# KiCad board PC110.kicad_pcb (continued)
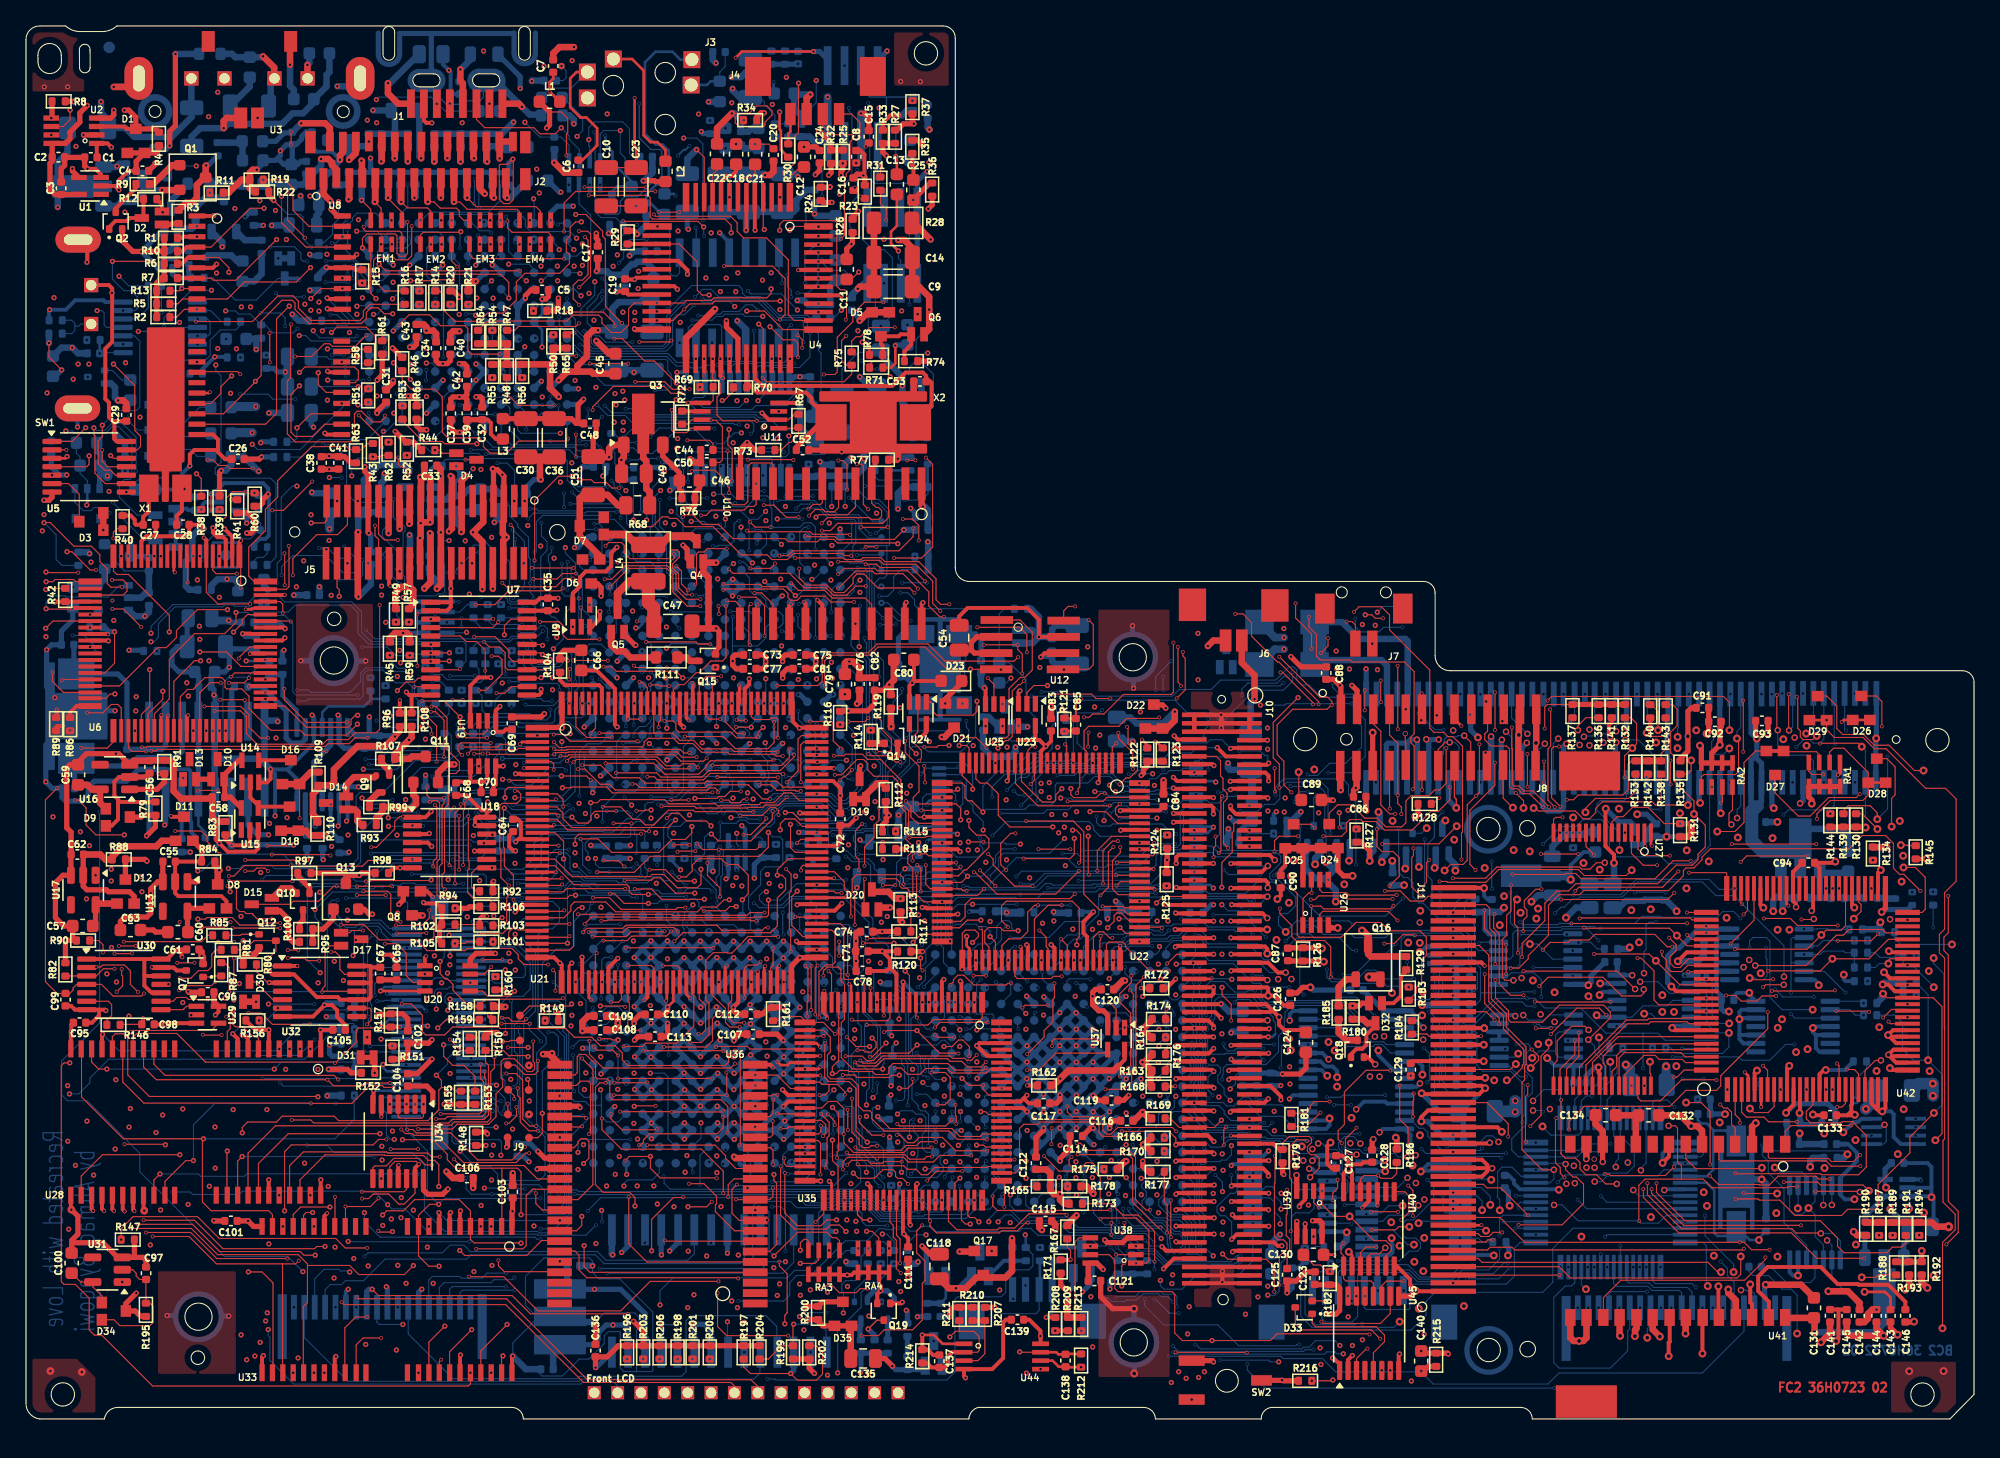
[diagram p0: board, top side]
## Routing (per net, layer and track width the routed paths; a pad name or vN(x,y) marks a point on that pad's centre or on a via; arc(x,y) is an arc through that point) (continued)
Net-(C160--): length 11.4
  FC2 w0.08: U4.11 52.24,97.23 v1(51.65,97.82)
  BC1 w0.08: v1(51.65,97.82) 52.08,97.39 54.29,97.39 v7(55.08,98.18)
  BC2 w0.5: v1(51.65,97.82) 50.94,97.11 C160.2 ; C166.1 56.42,97.92 55.34,97.92 v7(55.08,98.18)
Net-(C162-+): length 6
  BC2 w0.08: R222.2 R225.2 57.68,100.49 56.87,101.3 56.87,101.5 56.53,101.85 C162.1
  BC2 w0.5: v1(54.43,102.52) 54.43,102.39 54.98,101.85 C162.1
Net-(C163--): length 23.4
  FC1 w0.08: v1(43.35,98.59) 43.35,98.28 42.93,97.86 33.68,97.86 32.04,99.5 32.04,100.97 v3(31.65,101.36)
  BC2 w0.08: C163.2 46.75,97.27 46.49,97.53 46.49,99.43 45.96,99.96 43.8,99.96 43.35,99.51 v1(43.35,98.59) 43.35,98.12 43.43,98.04 43.43,98.04 EM5.3
Net-(C164-Pad2): length 3.4
  BC1 w0.1: v7(57.42,105.42) 57.59,105.25 v7(57.59,103.02)
  BC2 w0.2: v7(57.59,103.02) 57.59,102.19 C164.2
Net-(C167--): length 20.4
  FC1 w0.08: v3(35.7,101.36) 35.7,100.21 37.83,98.08 42.3,98.08 42.81,98.59 42.81,98.68 43.42,99.29 v1(45.78,99.29)
  BC2 w0.08: C167.2 46.6,96.26 46.13,96.73 46.13,97.2 45.78,97.55 v1(45.78,99.29) 44.5,99.29 44.23,99.02 EM5.4
Net-(C168--): length 4.6
  FC2 w0.5: U3.3 20.34,106.11 v1(20.34,104.36)
  BC2 w0.5: C168.2 20.62,102.44 20.34,102.72 v1(20.34,104.36)
Net-(C170-+): length 12.1
  FC1 w0.08: v1(38.43,99.93) 38.31,99.93 36.4,101.84 33.13,101.84 v3(32.65,101.36)
  BC2 w0.08: 41.83,96.96 41.83,98.17 41.2,98.79 C170.1 39.57,98.79 v1(38.43,99.93)
Net-(C171-+): length 4.7
  FC2 w0.5: v1(24.89,97.03) 25.41,97.55 J2.6
  BC2 w0.5: 24.89,98.07 25.16,98.07 25.17,98.08 C171.1 ; 24.89,98.07 24.89,98.48 L16.1 ; 24.89,98.07 v1(24.89,97.03)
Net-(C176-+): length 10.3
  FC2 w0.5: J2.4 24.41,97.6 24.19,97.38 v1(24.19,97.04)
  BC2 w0.08: 22.57,93.53 C176.1
  BC2 w0.3: C188.1 22.01,98.06 22.42,97.65 23.58,97.65 v1(24.19,97.04)
  BC2 w0.5: v1(24.19,97.04) 23.88,96.73 R234.2 23.36,96.09 23.02,95.75 23.02,94.85 22.56,94.39 C176.1 ; 22.57,93.53 22.57,92.93 22.39,92.75 L9.1
Net-(C177--): length 9.9
  FC2 w0.5: J2.27 35.96,94.19 v1(36.04,94.11)
  BC1 w0.08: v1(36.04,94.11) 36.06,94.13 36.06,95.53 36.99,96.46 36.99,100.28 v7(36.48,100.79)
  BC2 w0.4: C177.2 35.9,94.25 v1(36.04,94.11)
Net-(C189--): length 7
  FC2 w0.08: v1(21.2,99.84) 21.21,99.85
  FC2 w0.5: 21.21,99.85 23.05,99.85 23.41,99.49 J2.2
  BC2 w0.08: 20.53,99.17 C189.2
  BC2 w0.4: L14.1 19.24,98.46 19.89,99.11 20.45,99.11 C189.2
  BC2 w0.5: v1(21.2,99.84) 20.53,99.17
Net-(C192-+): length 4.3
  FC2 w0.5: J2.26 35.46,96.96 v1(35.52,96.9)
  BC2 w0.5: v1(35.52,96.9) 35.52,98.07 C192.1 37.02,98.08 L11.2
Net-(C193-+): length 3.8
  FC2 w0.5: J2.5 24.91,94.05 v1(24.85,93.99)
  BC2 w0.5: R234.1 24.29,95.07 24.33,95.11 C193.1 v1(24.85,93.99)
Net-(C195--): length 4.5
  FC2 w0.5: J2.29 36.96,94.21 v1(37.06,94.11)
  BC2 w0.08: 37.72,94.56 37.72,94.52
  BC2 w0.4: C195.2 37.72,94.56
  BC2 w0.5: L17.2 37.3,94.11 v1(37.06,94.11)
Net-(C197--): length 2
  FC2 w0.5: v1(21.68,104.35) 21.68,103.32 U3.5
  BC2 w0.5: C197.2 21.83,104.5 v1(21.68,104.35)
Net-(C198-+): length 5.2
  FC2 w0.5: J1.4 33.65,102.92 33.46,103.11 v1(33.46,104)
  BC2 w0.4: v1(33.46,104) 33.46,103.59 33.38,103.51 C198.1
  BC2 w0.5: L12.2 34.23,104.75 33.48,104 v1(33.46,104)
Net-(C199-+): length 18.2
  FC2 w0.08: v1(41.23,99.5) 40.77,99.04 39.59,99.04 39.12,99.51 35.34,99.51 34.7,100.15 J1.3
  FC1 w0.08: v13(41.25,104.26) 41.21,104.22 41.21,99.52 v1(41.23,99.5)
  BC2 w0.08: v1(41.23,99.5) 41.84,98.89 41.84,98.61 42.62,97.83 42.62,96.96 ; C199.1 41.39,103.14 41.6,103.35 41.6,103.91 v13(41.25,104.26)
Net-(C200--): length 12.8
  BC2 w0.08: 5.9,101.39 v1(5.78,101.51)
  BC2 w0.5: U3.8 12.74,101.08 C200.2 12.77,100.35 11.21,98.79 10.89,98.79 10.88,98.8 8.35,98.8 7.66,99.49 R241.1 6.3,100.14 5.78,100.66 v1(5.78,101.51)
Net-(C201-+): length 7.7
  FC2 w0.5: v1(18.26,105.01) 19.12,104.15 19.12,103.33 U3.6
  BC2 w0.08: 16.13,104.94 16.14,104.95
  BC2 w0.5: U3.6 18.85,103.02 18.85,101.35 C201.1 ; 16.13,104.94 15.87,105.2 15.14,105.2 15.12,105.19 ; v1(18.26,105.01) 18.2,104.95 C202.2 16.14,104.95
Net-(C206--): length 19.3
  FC2 w0.5: 42.47,80.71 42.47,81.15 43.21,81.89 43.21,83.43 43.68,83.9 v1(44.06,83.9) ; 42.47,80.71 41.7,80.71 v1(41.03,80.04) ; 42.47,80.71 43.53,80.71 43.69,80.56 C45.1
  BC2 w0.08: v1(44.06,83.9) 44.18,83.79 ; 48.22,86.2 L6.1 ; 41,80.04 v1(41.03,80.04)
  BC2 w0.4: U51.M11 40.43,79.45 41,80.02 41,80.04
  BC2 w0.5: 48.22,86.2 C206.2 ; v1(44.06,83.9) 45.38,83.9 45.49,83.79 45.49,84.59 45.17,84.91 45.17,85.58 45.66,86.07 47.3,86.07 47.54,86.31 L6.1
Net-(C207-+): length 3.4
  FC2 w0.2: R71.2 66.63,81.02 66.96,81.35 v1(66.96,82.72)
  BC2 w0.4: 67.89,82.77 67.01,82.77 v1(66.96,82.72)
Net-(C213-Pad2): length 5.2
  BC2 w0.5: C214.2 62.85,76.7 62.29,77.26 R250.1 60.77,78.16 60.4,78.53 C213.2
Net-(C224--): length 7.2
  BC2 w0.08: R281.1 3.74,75.37 D47.1 3.88,74.42 4.17,74.14 C224.2 4.17,72.88 4.72,72.32 U55.2
  BC2 w0.2: v1(4.68,70.43) 4.72,70.47 U55.2
Net-(C225-+): length 13.8
  BC1 w0.08: v7(8.03,80.07) 8.03,79.71 7.96,79.64 v7(7.96,77.33) ; 10.05,78.27 v7(10.05,74.21)
  BC2 w0.08: v7(7.96,77.33) 7.96,76.83 8.58,76.21 D49.3 ; 9.75,78.24 D46.3 ; v7(8.03,80.07) 7.39,80.07 6.65,80.8 Q30.1
  BC2 w0.5: R276.2 9.75,78.24
  vias: v7(10.06,78.25) v7(10.06,76.23)
Net-(C225--): length 4.1
  FC2 w0.5: C29.2 7.73,78.25 7.49,78.49 v1(7.1,78.49)
  BC2 w0.5: Q30.2 6.55,79.8 6.86,79.49 6.86,78.73 v1(7.1,78.49) 7.12,78.52 C225.2
Net-(C227--): length 52.2
  FC2 w0.4: D9.2 8.86,46.38 9.01,46.53 R79.1 9.97,45.62 v1(9.29,44.94)
  IC2 w0.6: v1(15.49,64.72) 15.08,64.72 14.18,63.82 14.18,62.29 14.94,61.53 v1(15.61,61.53) 15.79,61.35 16.55,61.35 16.7,61.2 17.69,61.2 18.1,60.79 18.1,45.23 18.31,45.02 v1(18.69,45.02)
  IC3 w0.6: v1(18.69,45.02) 17.82,45.02 16.18,46.66 9.97,46.66 9.29,45.98 v1(9.29,44.94)
  BC2 w0.4: U63.10 17.11,45.75 17.83,45.02 v1(18.69,45.02) ; C227.2 15.75,61.39 v1(15.61,61.53) ; U63.16 9.48,45.13 v1(9.29,44.94)
  BC2 w0.5: Q31.3 16.33,64.42 16.03,64.72 v1(15.49,64.72) 14.77,64.72 14.27,64.22 R275.1
  BC2 w0.6: v1(15.61,61.53) 14.5,61.53 R284.1
Net-(C228-+): length 5.1
  BC1 w0.08: v7(4.76,80.3) 5.68,81.22 v7(5.68,82.12)
  BC2 w0.08: v7(5.68,82.12) 5.73,82.17 7.48,82.17 ; 5.68,83.12 R282.1
  BC2 w0.2: v7(5.68,82.12) 5.68,83.12
Net-(C229--): length 9.7
  BC1 w0.08: v7(10.44,85.25) 11.85,85.25 12.98,84.12 14.1,84.12 14.39,83.83 14.39,83.23 ; v7(13.21,82.82) 14.11,82.82 14.39,83.1 14.39,83.23 ; 14.39,83.23 v7(15.42,83.23)
  BC2 w0.08: v7(13.21,82.82) 13.25,82.82 13.27,82.84 ; v7(10.44,85.25) R235.1
Net-(C230--): length 16.6
  BC2 w0.08: 3.69,57.6 X4.2
  BC2 w0.4: U63.2 10.76,51.9 10.47,51.61 C257.2 7.78,56.71 7.08,57.41 X4.2 ; C230.2 3.69,57.6
Net-(C232--): length 19.7
  BC2 w0.08: 12.42,61.63 R284.2
  BC2 w0.2: C258.2 13.82,45.21 13.28,45.75 U63.13
  BC2 w0.4: U63.13 U63.4 13.28,56.4 C260.2 13.3,57.27 C259.2 11.78,57.57 11.25,58.1 11.25,59.12 11.65,59.52 C232.2 12.42,61.63
Net-(C233-+): length 44.4
  BC1 w0.08: v1(6.92,26.14) 6.92,26.18 6.93,26.19 6.93,31.75 3.62,35.06 3.62,43.83 4.87,45.08 4.87,59.82 5.56,60.51 5.56,62.17 v7(3.61,64.12)
  BC2 w0.5: Q29.1 6.06,64.73 U53.5 5.45,64.12 v7(3.61,64.12)
Net-(C234--): length 8.2
  BC2 w0.08: R285.1 7.6,65.35 6.9,66.05 6.9,66.87 6.36,67.41 Q29.2
  BC2 w0.5: U53.2 8.86,63.29 9.22,63.65 C234.2 R285.1
Net-(C238-+): length 6.1
  BC2 w0.08: 138.17,40.18 138.2,40.15 ; 138.3,42.22 Q33.1
  BC2 w0.5: R293.1 R297.2 ; 138.3,42.22 138.43,42.08 140.22,42.08 C238.1 ; Q33.1 138.17,40.18
Net-(C238--): length 36.1
  FC2 w0.4: C93.1 133.22,53.79 133.22,52.53 v2(133.32,52.43)
  BC2 w0.4: J13.88 132.88,47.22 133.2,46.9 133.42,46.9 133.65,47.13 133.65,49.03 J13.89 ; J13.88 132.88,47.58 133.27,47.19 ; J13.88 132.88,50.75 133.17,51.04 ; v2(133.32,52.43) 133.3,52.41 ; v2(133.32,52.43) 133.27,52.38 ; v2(133.32,52.43) 133.32,51.19 133.17,51.04 ; v2(133.32,52.43) 132.88,52.87 J13.13 ; J13.89 133.68,47.6 133.27,47.19 ; J13.89 133.68,50.53 133.17,51.04 ; J13.89 133.67,49.07 ; 133.27,47.19 133.27,46.74
  BC2 w0.5: C238.2 140.35,44.98 139.86,45.47 137.43,45.47 136.67,44.71 Q33.2
  BC2 w0.9: 136.67,43.75 Q33.2
  BC2 w1: 133.27,47.19 132.93,46.85 132.93,44.56 133.74,43.75 136.67,43.75
Net-(C240-+): length 4.8
  BC2 w0.08: C240.1 120.69,45.05
  BC2 w0.5: Q34.1 117.56,44.11 118.49,45.04 R294.2 119.98,45.04 120.17,45.24 C240.1
Net-(C240--): length 22.8
  IC2 w0.7: v2(123.23,27.3) 123.23,29.08 122.35,29.96 122.35,33.83 119.5,36.68 119.5,39.53 118.98,40.05 v2(118.98,41.57)
  BC2 w0.3: v2(118.98,41.57) 118.98,42.68 119.98,43.69 C240.2
  BC2 w0.7: v2(118.98,41.57) 118.69,41.86 Q34.2 ; F3.2 123.58,26.95 v2(123.23,27.3)
Net-(C245--): length 62.1
  FC2 w0.4: D22.2 86.89,55.03 87.54,55.03 v1(87.79,54.78) ; v1(46.97,59.63) 46.91,59.63 46.07,60.47 Q5.1
  IC1 w0.5: v1(92.58,50.54) 92,51.12 90.89,51.12
  IC1 w0.7: v1(46.97,59.63) 47.65,60.31 51.33,60.31 51.85,59.79 53.95,59.79 55.06,60.9 64.88,60.9 65.54,60.24 75.44,60.24 76.21,61.01 78.73,61.01 84.25,55.49 87.08,55.49 v1(87.79,54.78) 87.79,55.66 88.11,55.98 89.14,55.98 90.08,55.04 90.08,51.63 90.59,51.12 90.89,51.12
  BC2 w0.5: F1.1 92.74,50.02 92.58,50.18 v1(92.58,50.54)
  BC2 w0.6: C245.2 94.43,49.92 F1.1
Net-(C246-+): length 14.6
  FC2 w0.08: 65.81,39.41 D20.1
  FC2 w0.5: v1(66.56,39.41) 65.81,39.41
  IC2 w0.08: v1(66.56,39.41) 66.56,39.43
  IC2 w0.4: v1(64.24,44.63) 64.24,41.75 66.56,39.43
  BC2 w0.08: 68.21,45.35 68.34,45.48 68.34,45.65 ; 64.79,44.46 64.95,44.46 Q36.3
  BC2 w0.2: 67.2,44.46 67.2,44.71 R327.1 ; 67.2,44.46 67.32,44.46 68.51,45.65 U59.11 ; 67.2,44.46 64.41,44.46 v1(64.24,44.63)
Net-(C257-+): length 13.5
  BC2 w0.08: 3.74,50.77 X4.1
  BC2 w0.4: C261.1 3.74,50.77 ; U63.3 12.03,51.45 11.55,50.97 8.6,50.97 8.28,50.65 C257.1 7.45,50.32 4.47,50.32 X4.1
Net-(C264--): length 9.5
  BC2 w0.2: 131.75,21.41 130.93,22.23 130.01,22.23 ; 130.01,22.23 129.96,22.18 129.96,19.21 129.45,18.7 U67.22 ; 130.01,22.23 129.47,22.77 129.03,22.77 128.78,23.03 128.78,23.5
Net-(C266-Pad1): length 2.7
  BC2 w0.08: 136.6,21.99 v2(136.62,22.01)
  BC2 w0.4: 136.6,21.18 136.6,21.99
  BC2 w0.5: 138.5,21.18 136.64,21.18
Net-(C266-Pad2): length 1.6
  BC2 w0.08: 135.63,22.8 135.6,22.8
  BC2 w0.4: 135.63,21.18 135.63,22.8
Net-(C268--): length 10.9
  BC2 w0.2: U67.23 129.46,18.2 130.04,17.62 130.04,14.34 130.28,14.1 130.98,14.1 130.99,14.11 131.05,14.11 131.75,14.81 132.77,13.79 v2(133.48,13.79) 133.48,13.92 134.03,14.47
Net-(C270-Pad1): length 6.2
  BC2 w0.08: 133.68,11.73 134.39,11.73 135.6,10.52 137.44,10.52 137.8,10.88 U64.11
Net-(C281--): length 12.3
  BC2 w0.08: 41.69,10.58 X6.1
  BC2 w0.4: U75.26 47.68,8.12 45.81,9.99 v1(43.79,9.99) 41.16,9.99 X6.1
  BC2 w0.5: C281.2 41.69,10.58
Net-(C283-+): length 10.2
  BC2 w0.08: 40.61,5.2 X6.2
  BC2 w0.4: U75.27 46.38,7.01 46.15,7.24 v1(45.22,7.24) 44.69,7.24 44.08,6.63 44.08,6.15 43.65,5.72 X6.2
  BC2 w0.5: C283.1 40.61,5.2
Net-(D1-K): length 7
  FC2 w0.3: U2.3 7.58,99.6 7.77,99.42 D1.2
  FC2 w0.4: R4.2 9.98,99.42 D1.2 8.46,100.32 7.92,100.86 v1(7.58,100.86)
Net-(D2-A): length 1.3
  FC2 w0.4: R3.1 11.28,92.13 11.2,92.05 D2.2
Net-(D2-common): length 4.3
  FC2 w0.3: R12.1 9.05,93.99 9.05,92.68 D2.3 7.99,92.55 7.76,92.32 6.89,92.32 6.41,91.84
Net-(D2-K): length 145.1
  FC2 w0.08: v3(17.47,73.25) 15.69,73.25 15.46,73.48 14.83,73.48 14.4,73.91 v3(13.99,73.91)
  FC2 w0.3: R12.2 10.47,93.61 D2.1
  FC1 w0.08: v1(17.43,75.11) 17.47,75.07 v3(17.47,73.25) ; v3(13.99,73.91) 13.96,73.91 10.54,77.33 10.54,92.98 v3(10.53,92.99)
  IC3 w0.08: v1(80.82,32.57) 80.82,32.58 80.06,33.34 76.72,33.34 76.17,32.79 62.42,32.79 61.01,34.2 39.83,34.2 36.23,37.8 30.05,37.8 29.28,38.57 29.28,39.74 29.22,39.8 29.22,39.85 28.73,40.34 27.65,40.34 27.45,40.14 17.97,40.14 v1(16.56,38.73)
  IC4 w0.08: v1(16.56,38.73) 16.56,42.29 15.82,43.04 15.82,54.41 16.24,54.84 16.24,58.91 17.44,60.11 17.44,75.1 v1(17.43,75.11)
  BC2 w0.08: v1(17.43,75.11) 17.83,74.71 21.13,74.71 25.23,78.81 25.8,78.81 U51.A11
Net-(D3-K): length 4.5
  FC2 w0.08: U5.6 3.28,72.08 4.11,71.26 D3.2
Net-(D5-K): length 7.9
  FC2 w0.08: R71.1 64.98,81.25 65.26,81.53 65.84,81.53 65.99,81.68 R78.2
  FC2 w0.3: R78.2 65.99,82.7 65.85,82.84 D5.2 67.23,83.44 67.38,83.59 Q6.2 68.18,82.78 67.66,82.26 R74.1
Net-(D7-K): length 7.9
  FC2 w0.6: D7.3 46.24,68.16 47.04,67.36 L4.2 48.88,67.36 49.55,68.03 51.28,68.03 Q4.3
Net-(D10-A): length 1.2
  FC2 w0.4: D13.1 D10.2
Net-(D10-K): length 5.2
  FC2 w0.08: 15.31,49.26 D10.1 15.27,49.4
  FC2 w0.4: U14.5 16.39,50.76 15.27,49.64 15.27,49.4 ; 15.31,49.26 C58.2 15.75,47.92 U15.5
Net-(D14-Pad2): length 2.2
  FC2 w0.5: R93.1 25.84,45.77 25.53,46.08 25.53,46.77 25.33,46.97 D14.2
Net-(D15-Pad2): length 4
  FC2 w0.4: D15.2 19.57,39.16 20.2,38.53 20.2,37.12 20.56,36.76 R95.1
Net-(D16-K): length 2.5
  FC2 w0.08: 20.39,50.76 D16.2
  FC2 w0.3: U14.4 20.39,50.76
Net-(D17-Pad2): length 106.6
  FC2 w0.08: D17.2 24.93,37.47 25.1,37.64 v3(25.96,37.64)
  FC2 w0.3: v1(98.08,16.36) 98.08,16.46 98.53,16.91 U39.3
  FC1 w0.08: v1(25.25,12.36) 25.25,12.94 25.53,13.22 25.53,14.1 25.12,14.51 25.12,17.01 24.99,17.14 24.99,25.78 25.1,25.89 25.1,32.99 26.1,33.99 26.1,37.5 v3(25.96,37.64)
  IC3 w0.08: v1(25.25,12.36) 32.81,12.36 32.96,12.21 34.32,12.21 35.28,11.25 36.76,11.25 37.83,12.32 45.88,12.32 48.3,14.74 60.65,14.74 61.36,14.03 65.01,14.03 65.17,14.19 65.17,14.45 66.88,16.16 81.79,16.16 82.49,15.46 87.48,15.46 87.56,15.54 89.01,15.54 89.77,14.78 94.1,14.78 94.83,15.51 96.95,15.51 97.33,15.89 97.61,15.89 v1(98.08,16.36)
Net-(D17-Pad3): length 248.4
  FC2 w0.08: v3(20.17,36.13) 20.95,36.13 v3(20.97,36.11) ; D17.3 25.76,36.91 v3(25.4,36.91) ; v1(13.24,38.52) 13.82,38.52 13.94,38.64 15.89,38.64 16.47,38.06 18.08,38.06 18.24,38.22 v3(19.58,38.22)
  FC1 w0.08: v3(20.97,36.11) 21.77,36.91 v3(25.4,36.91) ; v3(19.58,38.22) 19.9,38.22 20.17,37.95 v3(20.17,36.13)
  IC1 w0.08: v1(4.66,40.08) 12.57,40.08 13.24,39.41 v1(13.24,38.52)
  IC2 w0.08: v1(14.07,100.36) 14.07,98.77 12.91,97.61 7.43,97.61 1.27,91.45 1.27,76.23 2.86,74.64 3.53,74.64 3.77,74.4 3.77,72.36 5.67,70.46 5.67,48.8 7.18,47.29 7.18,40.82 6.44,40.08 v1(4.66,40.08)
  IC3 w0.08: v1(69.46,82.14) 63.19,82.14 60.16,85.17 60.16,100.43 58.65,101.94 54.07,101.94 53.23,101.1 53.23,99.21 53.22,99.21 52.49,98.48 51.68,98.48 51.24,98.04 22.24,98.04 19.92,100.36 v1(14.07,100.36)
  BC1 w0.08: v7(69.39,64.45) 69.54,64.3 69.54,62.61 70.38,61.77 85.91,61.77 89.02,58.66 93.64,58.66 95.38,56.92 95.38,55.78 96.24,54.92 100.26,54.92 101.26,53.92 102.04,53.92 102.84,53.12 102.84,51.52 101.52,50.2 101.52,49.7 100.25,48.43 100.25,47.39 v1(99.57,46.71) ; v7(67.5,64.44) 67.5,66.54 68.53,67.57 68.53,69.03 69.53,70.03 69.53,71.83 v7(69.01,72.35) 69.39,72.73 v7(69.39,78.02)
  BC2 w0.08: R254.2 65.39,72.63 65.67,72.35 v7(69.01,72.35) ; v7(69.39,78.02) 69.89,78.52 69.89,80.52 69.03,81.38 69.03,81.92 69.25,82.14 v1(69.46,82.14) ; v7(69.39,64.45) 69.38,64.44 v7(67.5,64.44)
Net-(D18-K): length 4.7
  FC2 w0.08: 17.98,47.19 17.89,47.28 U15.4
  FC2 w0.3: U14.2 17.28,47.89 17.89,47.28 ; 17.98,47.19 D18.2
Net-(D19-Pad1): length 16
  FC2 w0.08: 66.26,48.63 R112.2 ; v3(67.34,50.63) 66.98,50.63 66.5,51.11 65.03,51.11 v3(64.89,51.25) ; U24.2 68.7,52.95 68.32,52.57 68.32,52.18 68.97,51.53 68.97,50.9 v3(68.8,50.73)
  FC2 w0.5: D19.2 D19.1 64.71,48.12 65.58,48.99 v3(66.26,48.99) 66.26,48.63
  FC1 w0.08: v3(67.34,50.63) 67.68,50.63 67.78,50.73 v3(68.8,50.73) ; v3(64.89,51.25) 64.89,49.82 65.72,48.99 v3(66.26,48.99)
Net-(D21-A-Pad3): length 48.9
  FC2 w0.08: v3(66.26,92.41) 66.26,93.23 65.81,93.68 R31.1
  FC1 w0.08: v3(72.14,55.14) 72.14,55.58 71.3,56.42 71.3,60.18 70.81,60.67 69.4,60.67 67.33,62.74 67.33,65.11 68.44,66.22 68.44,68.01 69.71,69.28 69.71,78.92 67.98,80.65 64.47,80.65 63.99,81.13 63.99,83.1 65.22,84.33 65.22,91.37 v3(66.26,92.41)
Net-(D22-A-Pad1): length 8.2
  FC2 w0.5: D22.3 D22.1 87.86,53.21 88.49,53.83 v1(88.49,54.51)
  BC2 w0.5: v1(88.49,54.51) 87.58,53.6 85.53,53.6 85.06,54.07 R313.2
Net-(D23-K): length 15.5
  FC2 w0.08: v3(72.06,52.5) 73.2,52.5 v3(73.98,51.72)
  FC2 w0.4: D23.1 72.07,56.73 70.82,55.48 v3(70.82,55.14)
  FC1 w0.08: v3(70.82,55.14) 70.82,53.75 v3(72.06,52.5) ; v1(76.22,51.77) 76.22,51.35 76.06,51.19 74.16,51.19 73.98,51.37 v3(73.98,51.72)
  BC2 w0.5: v1(76.22,51.77) 76.22,51.42 75.82,51.02 74.43,51.02 73.72,51.73 R308.1
Net-(D24-K): length 32.4
  FC2 w0.08: R137.2 117.19,55.06 116.98,54.85 v3(116.98,53.21) ; D24.2 100.38,46.68 101.03,47.33 102.09,47.33 103.12,46.3 104.08,46.3 104.75,45.63 105.97,45.63 106.29,45.95 106.29,47.63 106.69,48.03 108.06,48.03 108.5,48.47 108.89,48.47 109.39,48.97 109.39,51.68 v3(109.4,51.69)
  FC2 w0.4: R132.2 R141.2 R136.2 R137.2
  FC1 w0.08: v3(116.98,53.21) 114.78,53.21 114.45,52.88 114.45,52.28 113.86,51.69 v3(109.4,51.69)
Net-(D25-K): length 38.3
  FC2 w0.08: R133.2 123.66,50.71 123.41,50.46 123.41,48.49 123,48.08 119.56,48.08 119.2,47.72 v3(118.68,47.72) ; 126.3,52.6 125.11,52.6 v2(124.84,52.87) ; 126.3,52.6 R143.1 ; 126.3,52.6 126.3,51.63 125.95,51.28 R138.2 ; D25.2 98.97,45.83 v3(99.28,45.52)
  FC2 w0.3: R140.1 125.11,53.14 v2(124.84,52.87)
  FC2 w0.5: R138.2 R142.2 R133.2
  FC1 w0.08: v3(99.28,45.52) 100.05,45.52 100.63,46.1 103.23,46.1 103.67,46.54 103.67,46.99 104.22,47.54 109.04,47.54 109.22,47.72 v3(118.68,47.72)
Net-(D32-A): length 3.9
  FC2 w0.3: R129.1 106.31,34.5 105.9,34.09 105.9,32.6 105.34,32.04 D32.2
Net-(D32-common): length 5.6
  FC2 w0.08: Q18.1 102.06,28.1
  FC2 w0.3: D32.3 103.95,30.31 103.24,29.6 103.24,28.83 102.93,28.52 102.48,28.52 102.06,28.1
  FC2 w0.5: R180.1 103,30.81 103.32,30.49 D32.3
Net-(D33-Pad3): length 93.9
  FC2 w0.08: v3(104.31,6.18) 103.63,6.86 98.23,6.86 97.77,7.32 D33.3 ; v3(74.11,43.53) 74.5,43.14 74.5,42.71 76.15,41.06 77.52,41.06 v3(77.53,41.07) ; v3(106.47,17.98) 106.83,17.62 v3(106.83,15.65)
  FC1 w0.08: v3(65.07,53.08) 65.07,52.86 66.53,51.4 66.53,50.71 67.34,49.9 69.85,49.9 71.83,47.92 73.33,47.92 74.11,47.14 v3(74.11,43.53) ; v3(104.31,6.18) 105.15,7.02 105.15,13.31 104.71,13.75 104.71,15.42 104.94,15.65 v3(106.83,15.65) ; v3(77.53,41.07) 77.53,37.08 77.74,36.87 77.74,34.3 78.93,33.11 83.03,33.11 83.78,32.36 83.78,32.14 84.16,31.76 87,31.76 87.51,31.25 89.16,31.25 90.71,32.8 93.16,32.8 93.81,32.15 98.09,32.15 99,31.24 99,22.96 99.84,22.12 102.82,22.12 103.19,22.49 104.7,22.49 104.87,22.32 104.87,20.79 105.45,20.21 105.45,18.54 106.01,17.98 v3(106.47,17.98)
Net-(D36-K): length 3.7
  BC2 w0.5: 16.71,98.44 16.68,98.41 D36.1 ; 16.71,98.44 16.71,98.27 16.68,98.24 ; 16.71,98.44 16.63,98.36 R236.2
Net-(D38-A): length 3.1
  BC2 w0.5: Q21.3 14,89.67 15.82,89.67 16.25,89.24 D38.2
Net-(D38-K): length 3.3
  BC2 w0.5: D38.1 17.58,87.67 18.15,88.24 R232.2
Net-(D39-A): length 23.2
  BC2 w0.08: 99.6,58.48 D55.2
  BC2 w0.5: 99.6,58.48 104.41,58.48 104.83,58.06 J13.48 ; D39.2 101.37,61.41 102.67,60.11 106.25,60.11 106.43,59.93 J13.46
  BC2 w1.8: D39.2 D55.2
Net-(D41-K): length 8
  BC2 w0.3: R260.1 33.08,73.3 33.36,73.02 33.36,72.48 33.05,72.17 R271.2
  BC2 w0.5: U50.2 32.38,70.86 32.65,71.13 R271.2 33.58,71.13 34.11,71.66 D41.1 36.11,71.66 R266.2
Net-(D42-Pad1): length 6.6
  BC2 w0.3: D42.1 D42.2 11.52,68.21 D43.1 D43.2 12.38,70.15 12.5,70.03 R287.1 13.44,70.03 13.61,70.2 13.61,70.46 13.81,70.66 U52.2
  BC2 w0.4: R287.1 13,70.05
Net-(D42-Pad3): length 13.1
  FC2 w0.08: v1(4.86,74.22) 4.86,73.56 4.68,73.38 U5.4
  BC1 w0.08: v7(6.7,70.62) 6.07,70.62 4.86,71.83 v1(4.86,74.22)
  BC2 w0.08: D42.3 9.14,67.7 7.39,69.45 7.39,69.94 6.71,70.62 v7(6.7,70.62)
Net-(D43-Pad3): length 16.9
  FC2 w0.08: U5.2 v3(3.11,74.68)
  FC1 w0.08: v3(3.11,74.68) 3.07,74.72 v1(3.07,76.14)
  BC2 w0.08: 3.13,76.2 v1(3.07,76.14) 3.58,76.14 3.74,75.98 6.14,75.98 6.64,76.48 7.14,76.48 8.16,75.46 8.16,72.55 8.01,72.4 7.58,72.4 7.19,72.01 7.19,71.03 8.57,69.65 D43.3
Net-(D44-A): length 4.3
  BC2 w0.08: D45.1 11.21,73.11 10.63,72.53 8.81,72.53 8.37,72.09 D44.2
Net-(D46-Pad2): length 9.8
  BC2 w0.08: D46.2 11.22,79.18 11.64,79.6 11.64,81.07 12.17,81.6 13.83,81.6 14.19,81.96 14.19,83.14 14.98,83.93 16.16,83.93 16.52,84.29 R286.1
Net-(D48-A): length 3.2
  BC2 w0.08: D48.2 13.19,74.18 12.66,74.71 D45.2
Net-(D50-A): length 3.1
  BC2 w0.08: D50.2 12.91,75.95 12.67,75.71 D49.1
Net-(D51-A): length 3.5
  BC2 w0.08: D49.2 12.13,76.71 13.39,77.97 D51.2
Net-(D58-K): length 1.5
  BC2 w0.5: R308.2 74.15,54.1 D58.1
Net-(J1-GND-Pad1): length 47.8
  FC2 w0.5: J1.1 37.96,101.36 v1(38.2,101.12)
  BC2 w0.08: 37.56,106.77 37.6,106.81
  BC2 w0.1: 31.43,102.46 31.43,102.27 32.39,101.31 33.58,101.31 33.85,101.58 34.95,101.58 35.23,101.86 35.23,102.48
  BC2 w0.4: 27.14,106.8 27.14,105.2 arc(27.96,104.38) 28.78,105.2 28.78,106.77 31.22,106.77 ; 31.43,103.84 30.28,103.84 arc(29.59,103.15) 30.28,102.46 31.43,102.46 arc(32.12,103.15) 31.43,103.84 ; 31.43,103.84 31.22,104.05 31.22,106.77 ; 34.88,102.47 36.04,102.48 arc(36.73,103.17) 36.04,103.86 34.89,103.86 arc(34.2,103.17) 34.89,102.48 ; 37.6,106.81 37.6,105.26 arc(38.42,104.44) 39.24,105.26 39.24,106.81 ; 31.22,106.77 37.56,106.77 ; 36.73,102.59 36.73,103.17
  BC2 w0.5: 36.73,102.59 v1(38.2,101.12) 38.8,100.52 39.62,100.52 R231.2
Net-(J1-GND-Pad8): length 6.2
  FC2 w0.5: v1(27.88,102.94) 27.88,102.15 28.67,101.36 J1.8
  BC2 w0.5: v1(27.88,102.94) 28.03,102.94 30.26,105.17 R230.2
Net-(J2-Pin_1): length 34.7
  FC2 w0.5: v1(23.44,93.87) 22.92,94.39 22.92,95.63 J2.1 ; v1(30.44,97.15) 30.44,98.42 J2.16 ; J2.30 J2.28 36.48,98.42 v1(36.48,97.14) ; v1(35.34,94.42) 34.96,94.8 J2.25 ; v1(25.84,96.97) 25.88,96.93 25.88,95.67 J2.7
  IC1 w0.08: 23.44,95.06 23.51,95.13
  IC1 w0.5: v1(25.84,96.97) 25.84,95.54 ; v1(23.44,93.87) 23.44,95.06
  IC1 w0.7: 30.48,96.37 29.65,95.54 29.48,95.54 ; 30.48,96.37 31.31,95.54 31.33,95.54 ; 30.48,96.37 30.48,95.54 ; 30.48,96.37 30.48,97.11 v1(30.44,97.15) ; 35.45,95.54 35.32,95.41 35.32,94.44 v1(35.34,94.42) ; 35.45,95.54 36.09,95.54 36.48,95.93 v1(36.48,97.14) ; 35.45,95.54 31.33,95.54 ; 30.48,95.54 29.48,95.54 ; 30.48,95.54 31.33,95.54 ; 29.48,95.54 23.92,95.54 23.51,95.13
  BC2 w0.5: L10.1 30.3,100.8 30.3,97.29 v1(30.44,97.15)
Net-(J3-G): length 10.7
  FC2 w0.2: J3.3 46.69,104.8 47.58,103.91 47.58,98.92 48.1,98.4 48.64,98.4 49.26,97.78 L2.2
Net-(J3-MO): length 9.4
  BC1 w0.15: 43.23,101.14 43.23,100.83 44.62,99.44 v7(44.62,98.92)
  BC2 w0.2: v7(44.62,98.92) 44.62,98.2 45.18,97.64 45.18,96.84 46.65,95.37 L8.2 45.55,94.99 45.14,94.58 C148.2
Net-(J3-SI): length 4.7
  BC2 w0.08: L7.2 53.44,103.81 53.86,104.23 C165.1
  BC2 w0.2: J3.2 52.45,102.8 52.74,103.09 L7.2
Net-(J3-SO): length 18.9
  BC2 w0.2: L5.1 48.97,92.83 48.09,93.71 C159.2 47.78,94.36 48.55,95.13 49.07,95.13 49.51,95.57 49.51,97.74 49.04,98.21 48.51,98.21 47.68,99.04 47.68,104.55 48.49,105.36 49.8,105.36 50.41,104.75 J3.1
Net-(J5-Pin_17): length 49.5
  FC2 w0.08: v3(14.25,71.24) 14.25,69.97 14.83,69.39 15.27,69.39 15.44,69.56 15.44,70.97 15.93,71.46 v3(16.91,71.46) ; v3(18.97,70.02) 19.83,70.02 v3(22.05,72.24) ; v3(9.64,89.2) 9.63,89.21 v1(6.66,89.21)
  FC1 w0.08: v3(25.56,70.74) 24.92,70.74 23.61,72.05 22.63,72.05 22.44,72.24 v3(22.05,72.24) ; v3(16.91,71.46) 17.21,71.76 17.84,71.76 18.1,71.5 18.1,70.67 18.75,70.02 v3(18.97,70.02) ; v3(14.25,71.24) 13.01,71.24 12.52,71.73 12.52,72.15 10.14,74.53 10.14,88.7 v3(9.64,89.2)
  BC1 w0.08: v7(7.48,82.82) 7.48,82.83 7.48,85.42 v7(7.48,85.42)
  BC2 w0.08: v1(6.66,89.21) 6.66,87.84 7.55,86.95 8.09,86.95 8.57,86.47 8.57,85.57 8.42,85.42 v7(7.48,85.42)
Net-(J6-Pin_1): length 7.7
  FC2 w0.5: J6.1 93.65,58.28 94.63,57.3 v1(94.63,55.47)
  BC2 w0.5: v1(94.63,55.47) 94.33,55.17 F1.2
Net-(J7-Pin_1): length 27.7
  FC2 w0.08: v3(97.79,62.85) 97.79,61.73 99.02,60.5 v3(99.02,59.35) ; v3(80.81,62.62) 80.28,62.62 79.93,62.27 U12.8
  FC1 w0.08: v3(103.7,59.75) 103.56,59.61 99.28,59.61 v3(99.02,59.35) ; v3(80.81,62.62) 81.04,62.85 v3(97.79,62.85)
Net-(J8-DRT1#): length 66.9
  FC2 w0.08: v3(124.89,18.17) 124.89,17.28 127.51,14.66 136.02,14.66 136.35,14.33 138.22,14.33 v4(138.25,14.3) ; v3(114.45,53.28) 114.45,51.68 114.49,51.64 114.49,48.91 114.63,48.77 115,48.77 115.37,48.4 116.08,48.4 v3(117.31,47.17)
  FC2 w0.2: J8.6 110.03,53.94 v3(110.56,53.41)
  FC1 w0.08: v3(124.89,18.17) 124.89,18.44 125.04,18.59 125.04,21.02 121.33,24.73 118.8,24.73 118.38,25.15 118.38,33.56 118.13,33.81 118.13,37.55 117.5,38.18 117.5,46.62 117.31,46.81 v3(117.31,47.17) ; v3(110.56,53.41) 112.78,53.41 113.6,54.23 114.25,54.23 114.45,54.03 v3(114.45,53.28)
  BC2 w0.08: v4(138.25,14.3) 139.17,14.3 139.75,13.72 U64.8
Net-(J8-RTS1#): length 70.7
  FC2 w0.08: v3(117.4,54.68) 117.44,54.64 117.44,51.85 117.23,51.64 117.23,47.69 v3(117.75,47.17) ; v3(125.21,17.71) 125.21,17.39 127.68,14.92 v3(136.71,14.92)
  FC1 w0.08: v3(117.4,54.68) 116.93,54.68 116.53,55.08 113.02,55.08 112.63,54.69 v3(106.28,54.69) ; v3(125.21,17.71) 125.21,21.16 121.45,24.92 118.95,24.92 118.58,25.29 118.58,33.68 118.33,33.93 118.33,37.63 117.68,38.28 117.68,47.1 v3(117.75,47.17) ; v3(136.71,14.92) 137.53,14.92 v4(139.1,16.49)
  BC2 w0.08: v4(139.1,16.49) U64.6
Net-(J8-TXD1): length 66.8
  FC2 w0.08: v3(130.96,32.64) 131.68,32.64 132.12,32.2 133.32,32.2 133.72,32.6 v3(134.8,32.6) ; J8.11 103.78,53.56 104.36,52.98 104.36,47.31 105.04,46.63 v3(105.46,46.63) ; v3(126.81,36.39) 126.41,36.39 125.46,37.34 120.83,37.34 120.4,36.91 118.95,36.91 118.76,36.72 117.39,36.72 v3(116.83,36.16) ; v3(106.87,43.98) 106.87,43.41 106.74,43.28 106.74,41 v3(107.5,40.24)
  FC1 w0.08: v3(105.46,46.63) 105.49,46.63 106.87,45.25 v3(106.87,43.98) ; v3(126.81,36.39) 127.06,36.14 128.13,36.14 130,34.27 130,33.6 v3(130.96,32.64) ; v3(116.83,36.16) 115.17,36.16 115.07,36.26 109.32,36.26 108.13,37.45 108.13,39.61 v3(107.5,40.24) ; v2(134.7,19.37) 134.7,26.28 134.33,26.65 134.33,30.58 134.8,31.05 v3(134.8,32.6)
  BC2 w0.08: U64.3 137.15,18.68 136.79,19.04 135.1,19.04 134.77,19.37 v2(134.7,19.37)
